# Altium PCB 1XGSH00.PcbDoc (continued)
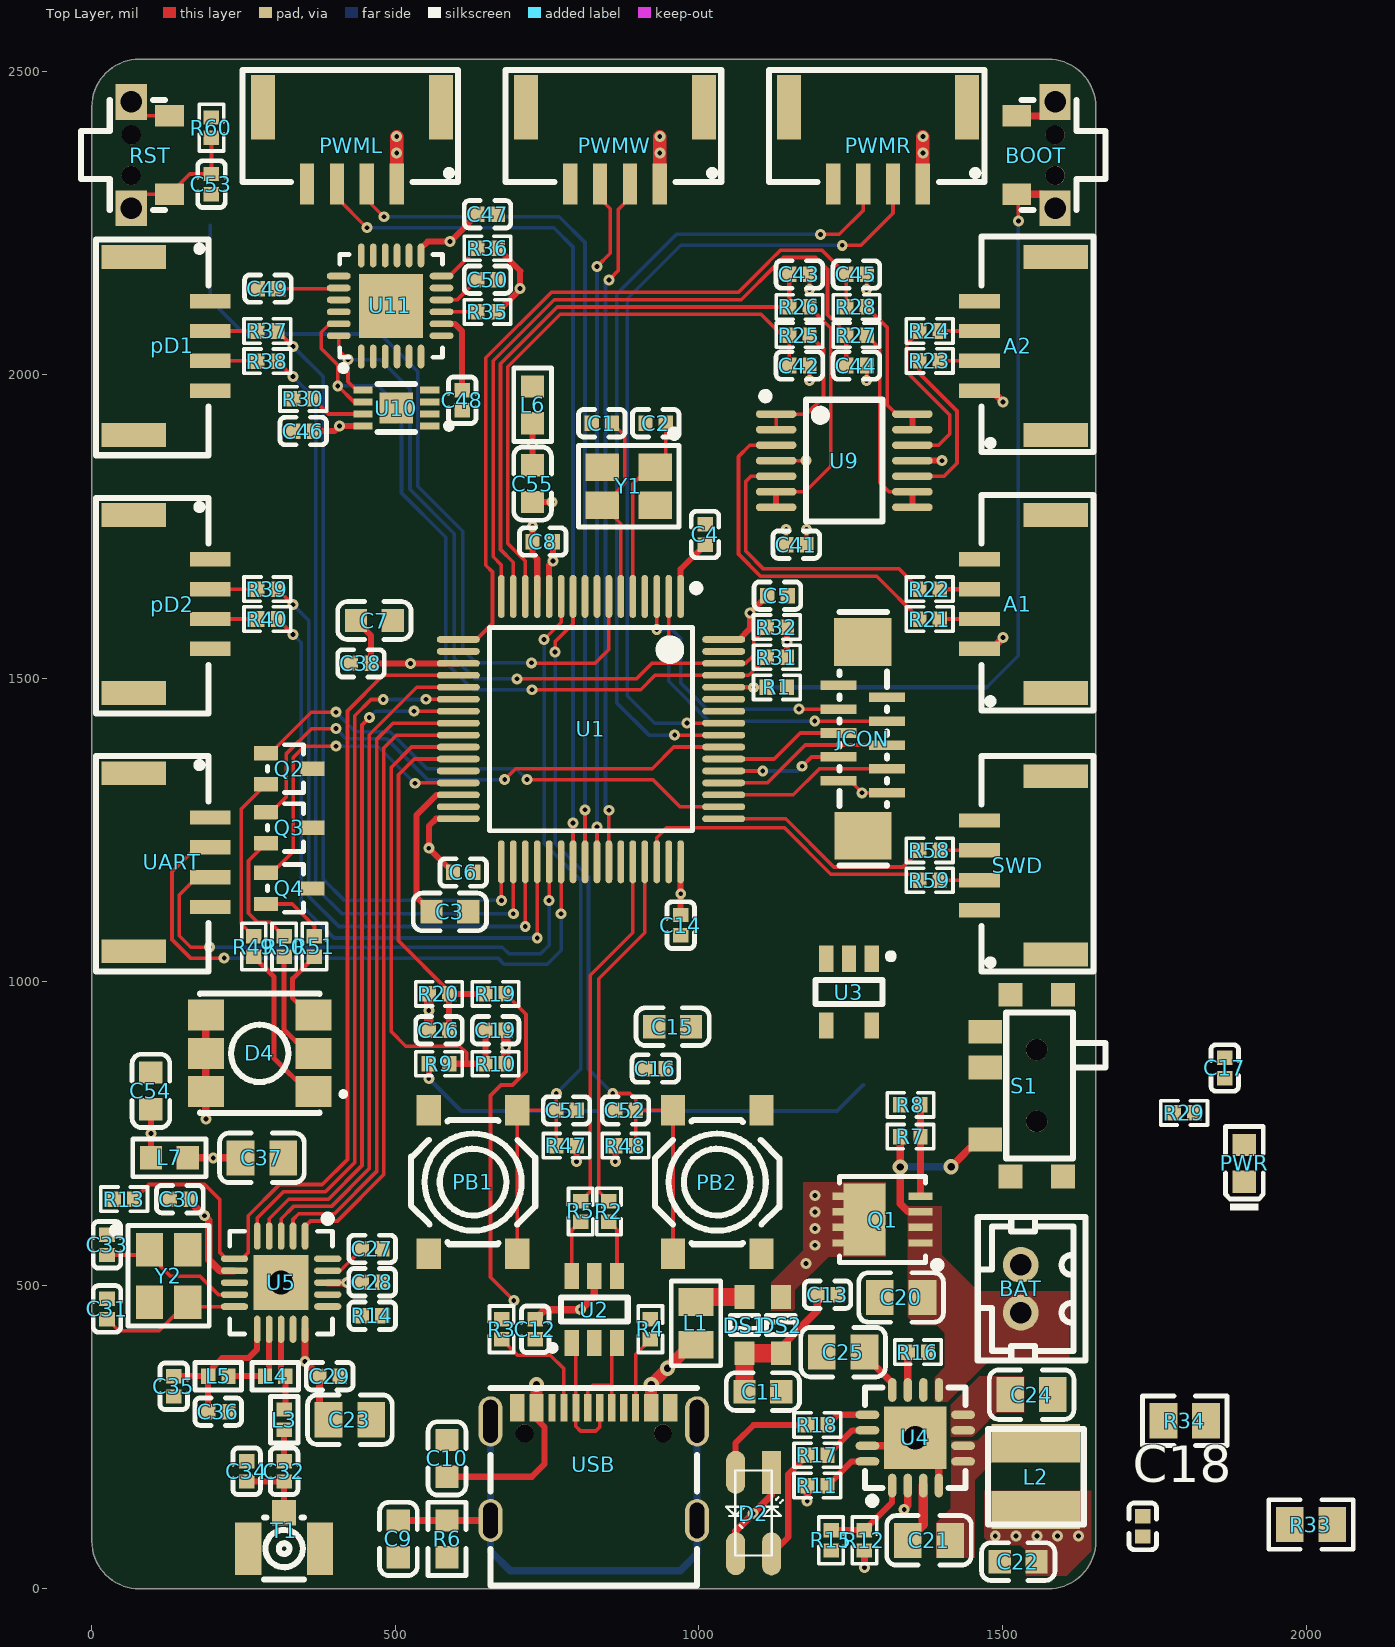
[diagram p0: Top Layer view]
## Footprints (in the part's own frame and the unit in brackets; to place one, negate y for a bottom-side part, rotate by r counter-clockwise, add the part's x,y. Pads: shape width x height; smd on the part's side, far side on the other; paste and mask are expansions set on the pad)
0402_C [mm]
  rect 0.6x0.65 smd mask+0.051: 1(-0.425,0) 2(0.425,0)
  silkscreen extent -0.97,-0.58 0.97,0.58, body extent -0.48,-0.3 0.52,0.3, height 0.2
0402_L [mm]
  rect 0.6x0.65 smd mask+0.051: 1(-0.425,0) 2(0.425,0)
  silkscreen extent -0.97,-0.58 0.97,0.58, body extent -0.51,-0.26 0.54,0.26, height 0.36
0402_R [mm]
  rect 0.6x0.65 smd mask+0.051: 1(-0.425,0) 2(0.425,0)
  silkscreen extent -0.97,-0.51 0.97,0.51, body extent -0.57,-0.27 0.58,0.28, height 0.41
0603_C [mm]
  rect 0.93x0.98 smd: 1(-0.77,0) 2(0.77,0)
  silkscreen extent -1.53,-0.79 1.54,0.79, body extent -0.8,-0.4 0.8,0.4, height 0.3
0603_L [mm]
  rect 0.93x0.98 smd: 1(-0.77,0) 2(0.77,0)
  silkscreen extent -1.54,-0.79 1.53,0.79, body extent -0.82,-0.41 0.83,0.41, height 0.46
0603_LED_S1 [mm]
  rect 0.93x0.98 smd: 1(0.77,0) 2(-0.77,0)
  silkscreen extent -1.97,-0.79 1.53,0.79, body extent -0.8,-0.4 0.8,0.4, height 0.6
0603_R [mm]
  rect 0.93x0.98 smd: 1(-0.77,0) 2(0.77,0)
  silkscreen extent -1.53,-0.79 1.54,0.79, body extent -0.85,-0.4 0.85,0.4, height 0.56
0805_C [mm]
  rect 1.16x1.47 smd: 1(-0.89,0) 2(0.89,0)
  silkscreen extent -1.77,-1.04 1.77,1.04, body extent -1,-0.62 1,0.63, height 0.77
0805_L [mm]
  rect 1.16x1.47 smd: 1(-0.89,0) 2(0.89,0)
  silkscreen extent -1.77,-1.03 1.77,1.04, body extent -1.02,-0.64 1.03,0.64, height 0.6
0805_R [mm]
  rect 1.16x1.47 smd: 1(-0.89,0) 2(0.89,0)
  silkscreen extent -1.77,-1.04 1.77,1.03, body extent -1,-0.62 1,0.63, height 0.49
3528_LED [mm]
  rect 1.8x0.8 smd mask+0.051: 1(-1.7,0.75)
  oval 1.8x0.8 smd mask+0.051: 2(1.71,0.75) 3(-1.7,-0.75) 4(1.7,-0.75)
  silkscreen extent -1.78,-1.14 1.78,1.22, body extent -1.78,-1.33 1.72,1.47, height 1.75
A2001WV-2P [mm]
  round 1.5 hole 0.9: 1(1,0) 2(-1,0)
  silkscreen extent -3,-1.8 3,2.7, body extent -2.95,-1.74 2.95,2.76, height 6
DFN3.3*3.3 [mm] "SON, 8-Leads, Body 3.25x3.25mm, Pitch 0.65mm, IPC Low Density"
  rect 0.3x1 smd: D(-0.975,1.59) D(-0.325,1.59) D(0.325,1.59) D(0.975,1.59) G(0.975,-1.59) S(-0.975,-1.59) S(-0.325,-1.59) S(0.325,-1.59)
  rect 3x1.75 smd: D(0,0.75)
  silkscreen extent -1.95,-2.34 1.8,1.8, body extent -1.65,-1.66 1.65,1.66, height 0.75
FPC-SMD_10P [mm]
  rect 2x2.4 smd: 0(-4.055,-0.004) 0(4.055,0.01)
  rect 0.4x1.5 smd: 1(-2.255,-1.014) 2(-1.755,1.014) 3(-1.255,-1.014) 4(-0.754,1.014) 5(-0.256,-1.014) 6(0.246,1.014) 7(0.744,-1.014) 8(1.247,1.014) 9(1.745,-1.014) 10(2.245,1.014)
  silkscreen extent -5.3,-1.01 5.3,0.99, body extent -4.75,-1.78 4.75,1.67, height 4.15
INDUCTOR_4*4 [mm]
  rect 1.6x3.7 smd: 1(-1.4,0) 2(1.4,0)
  silkscreen extent -2,-2 2,2, body extent -2.25,-2 2.25,2, height 3.18
IPEX1-K501-29 [mm]
  rect 1.1x2.2 smd: 1(-1.5,-0.75) 3(1.5,-0.75)
  rect 1x1.05 smd: 2(0,0.75)
  silkscreen extent -0.84,-2.05 0.84,0.55, body extent -1.5,-2.3 1.5,0.8, height 1.25
LED_5050 [mm]
  rect 1.5x1.3 smd: 1(-2.25,1.6) 2(-2.25,0) 3(-2.25,-1.6) 4(2.25,-1.6) 5(2.25,0) 6(2.25,1.6)
  silkscreen extent -3.57,-2.5 2.5,2.5, body extent -2.75,-2.5 2.75,2.5, height 1.6
LQFP-64_10x10x05P [mm]
  oval 0.28x1.8 smd mask+0.051: 1(-3.75,-5.55) 2(-3.25,-5.55) 3(-2.75,-5.55) 4(-2.25,-5.55) 5(-1.75,-5.55) 6(-1.25,-5.55) 7(-0.75,-5.55) 8(-0.25,-5.55) 9(0.25,-5.55) 10(0.75,-5.55) 11(1.25,-5.55) 12(1.75,-5.55) 13(2.25,-5.55) 14(2.75,-5.55) 15(3.25,-5.55) 16(3.75,-5.55) 33(3.75,5.55) 34(3.25,5.55) 35(2.75,5.55) 36(2.25,5.55) 37(1.75,5.55) 38(1.25,5.55) 39(0.75,5.55) 40(0.25,5.55) 41(-0.25,5.55) 42(-0.75,5.55) 43(-1.25,5.55) 44(-1.75,5.55) 45(-2.25,5.55) 46(-2.75,5.55) 47(-3.25,5.55) 48(-3.75,5.55)
  oval 1.8x0.28 smd mask+0.051: 17(5.55,-3.75) 18(5.55,-3.25) 19(5.55,-2.75) 20(5.55,-2.25) 21(5.55,-1.75) 22(5.55,-1.25) 23(5.55,-0.75) 24(5.55,-0.25) 25(5.55,0.25) 26(5.55,0.75) 27(5.55,1.25) 28(5.55,1.75) 29(5.55,2.25) 30(5.55,2.75) 31(5.55,3.25) 32(5.55,3.75) 49(-5.55,3.75) 50(-5.55,3.25) 51(-5.55,2.75) 52(-5.55,2.25) 53(-5.55,1.75) 54(-5.55,1.25) 55(-5.55,0.75) 56(-5.55,0.25) 57(-5.55,-0.25) 58(-5.55,-0.75) 59(-5.55,-1.25) 60(-5.55,-1.75) 61(-5.55,-2.25) 62(-5.55,-2.75) 63(-5.55,-3.25) 64(-5.55,-3.75)
  silkscreen extent -4.55,-6.05 4.25,4.25, body extent -6.01,-6.01 6.01,6.01, height 1.6
QFN-16_L4.0-W4.0-P0.65-LS4.2-BL-EP [mm]
  rect 2.6x2.6 smd: 0(0,0)
  oval 0.35x0.996 smd: 1(-0.965,-2) 2(-0.315,-2) 3(0.335,-2) 4(0.986,-2) 9(0.991,2) 10(0.34,2) 11(-0.31,2) 12(-0.96,2)
  oval 0.996x0.35 smd: 5(2,-0.991) 6(2,-0.34) 7(2,0.31) 8(2,0.96) 13(-2,0.96) 14(-2,0.31) 15(-2,-0.34) 16(-2,-0.991)
  silkscreen extent -2.1,-2.79 2.1,2.1, body extent -2,-2 2,2, height 0.92
QFN-20_4x4x05P [mm]
  rect 2.3x2.3 smd mask+0.051: 0(0,0)
  oval 0.28x1.143 smd mask+0.051: 1(-1,-1.95) 2(-0.5,-1.95) 3(0,-1.95) 4(0.5,-1.95) 5(1,-1.95) 11(1,1.95) 12(0.5,1.95) 13(0,1.95) 14(-0.5,1.95) 15(-1,1.95)
  oval 1.143x0.28 smd mask+0.051: 6(1.95,-1) 7(1.95,-0.5) 8(1.95,0) 9(1.95,0.5) 10(1.95,1) 16(-1.95,1) 17(-1.95,0.5) 18(-1.95,0) 19(-1.95,-0.5) 20(-1.95,-1)
  silkscreen extent -2.15,-2.82 2.15,2.15, body extent -2.01,-2.01 2.01,2.01, height 0.78
QFN-24_4x4x05P [mm]
  rect 2.68x2.68 smd mask+0.051: 0(0,0)
  oval 0.28x1 smd mask+0.051: 1(-1.25,-2.118) 2(-0.75,-2.118) 3(-0.25,-2.118) 4(0.25,-2.118) 5(0.75,-2.118) 6(1.25,-2.118) 13(1.25,2.112) 14(0.75,2.112) 15(0.25,2.112) 16(-0.25,2.112) 17(-0.75,2.112) 18(-1.25,2.112)
  oval 1x0.28 smd mask+0.051: 7(2.109,-1.25) 8(2.109,-0.75) 9(2.109,-0.25) 10(2.109,0.25) 11(2.109,0.75) 12(2.109,1.25) 19(-2.191,1.25) 20(-2.191,0.75) 21(-2.191,0.25) 22(-2.191,-0.25) 23(-2.191,-0.75) 24(-2.191,-1.25)
  silkscreen extent -2.15,-2.72 2.15,2.15, body extent -2.02,-2.03 2.02,2.01, height 0.88
SC-70(SC-70-3) [mm]
  rect 1x0.6 smd: 1(0.97,-0.65) 2(-0.97,0) 3(0.97,0.65)
  silkscreen extent -0.6,-1 0.9,1, body extent -1.12,-1.1 1.12,1.1, height 1.1
SMD-3225_4P [mm]
  rect 1.4x1.15 smd: 1(-1.1,-0.927) 2(1.1,-0.927) 3(1.1,0.673) 4(-1.1,0.673)
  silkscreen extent -2.1,-2.48 2.1,1.57, body extent -1.6,-1.38 1.6,1.12, height 0.61
SOD-323 [mm]
  rect 1x0.83 smd: 1(1.18,0) 2(-1.18,0)
  silkscreen extent -0.4,-0.6 0.4,0.6, body extent -1.35,-0.62 1.35,0.63, height 1.1
SOT-23-5 [mm]
  rect 1.1x0.6 smd: 1(-1.4,0.95) 2(-1.4,0) 3(-1.4,-0.95) 4(1.4,-0.95) 5(1.4,0.95)
  silkscreen extent -1.62,-1.4 0.5,1.88, body extent -1.25,-1.5 1.25,1.5, height 1.06
SOT-23-6 [mm]
  rect 1.1x0.6 smd: 1(-1.403,0.889) 2(-1.403,-0.061) 3(-1.403,-1.011) 4(1.397,-1.011) 5(1.397,-0.061) 6(1.397,0.889)
  silkscreen extent -1.73,-1.46 0.5,1.81, body extent -1.23,-1.46 1.19,1.33, height 1.09
SW-SMD_3P-SK-3296S-01-L1 [mm]
  rect 1x1 smd: 0(-3.8,-1.625) 0(-3.8,0.575) 0(3.8,-1.625) 0(3.8,0.575)
  rect 1x1.4 smd: 1(-2.25,1.625) 2(0.75,1.625) 3(2.25,1.625)
  round 0.9 hole 0.9 unplated: ""(-1.5,-0.525) ""(1.5,-0.525)
  silkscreen extent -3.05,-3.4 3.05,0.75, body extent -3.9,-3.4 3.9,1.85, height 1.35
SW-SMD_4P-L5.2-W5.2-P3.70-LS6.4 [mm]
  rect 1.27x1.016 smd: 1(-3,1.85) 2(3,1.85) 3(-3,-1.85) 4(3,-1.85)
  silkscreen extent -2.6,-2.6 2.6,2.6, body extent -3.2,-2.6 3.2,2.6, height 1.5
SW-SMD_TS-1010B-B-A [mm]
  rect 0.9x1.2 smd: 1(-1.64,-0.8) 2(1.64,-0.8)
  rect 1.5x1.3 hole 0.9: 3(-2.225,0.8) 4(2.225,0.8)
  round 0.8 hole 0.8 unplated: ""(-0.85,0.8) ""(0.85,0.8)
  silkscreen extent -2.3,-0.6 2.3,2.9, body extent -2.33,-0.76 2.33,2.9, height 2.65
TSSOP-14 [mm]
  oval 0.32x1.7 smd: 1(-1.95,-2.85) 2(-1.3,-2.85) 3(-0.65,-2.85) 4(0,-2.85) 5(0.65,-2.85) 6(1.3,-2.85) 7(1.95,-2.85) 8(1.95,2.85) 9(1.3,2.85) 10(0.65,2.85) 11(0,2.85) 12(-0.65,2.85) 13(-1.3,2.85) 14(-1.95,2.85)
  silkscreen extent -2.85,-3.45 2.55,1.6
UDFN-8L [mm]
  rect 1.3x1.4 smd: 0(0,0)
  rect 0.3x0.8 smd: 1(-0.75,-1.4) 2(-0.25,-1.4) 3(0.25,-1.4) 4(0.75,-1.4) 5(0.75,1.4) 6(0.25,1.4) 7(-0.25,1.4) 8(-0.75,1.4)
  silkscreen extent -1,-2.32 1,0.79, body extent -1,-1.5 1,1.5, height 0.53
"USB_TypeC_16Pin (2.0)" [mm]
  oval 1x1.799 hole 0.61 slot 1.5 at 90 deg: 0(-4.572,-1.458) 0(4.068,-1.458)
  oval 1x2.099 hole 0.61 slot 1.8 at 90 deg: 0(-4.572,2.692) 0(4.068,2.692)
  round 0.75 hole 0.756 unplated: 0(-3.142,2.192)
  round 0.75 hole 0.75: 0(2.638,2.192)
  rect 0.6x1.15 smd: A1B12(-3.452,3.267) A4B9(-2.652,3.267) B1A12(2.948,3.267) B4A9(2.148,3.267)
  rect 0.3x1.15 smd: A5(-1.502,3.267) A6(-0.502,3.267) A7(-0.002,3.267) A8(-2.002,3.267) B5(1.498,3.267) B6(0.498,3.267) B7(-1.002,3.267) B8(0.998,3.267)
  silkscreen extent -4.57,-4.18 4.07,4.08, body extent -4.72,-4.15 4.23,3.6, height 3.3
X1251WRS-04HF-LPSW [mm]
  rect 0.6x1.7 smd: 1(-1.875,1.6) 2(-0.625,1.6) 3(0.625,1.6) 4(1.875,1.6)
  rect 1x2.7 smd: 5(3.725,-1.6) 6(-3.725,-1.6)
  silkscreen extent -4.45,-3.18 4.57,1.52, body extent -4.12,-3.05 4.12,1.85, height 4.35

## Part data
BAT: library part XH2.5, "XH2.5 Connector"
BOOT PB1 PB2 RST: library part SW-PB-SPST
C1 C2 C3 C4 C5 C6 C7 C8 C9 C10 C11 C12 C13 C14 C15 C16 C17 C18 C19 C20 C21 C22 C23 C24 C25 C26 C27 C28 C29 C30 C31 C32 C33 C34 C35 C36 C37 C38 C41 C42 C43 C44 C45 C46 C47 C48 C49 C50 C51 C52 C53 C54 C55: library part Capacitor, "Capacitor"
D2: library part LED_Dual_2, "Dual LED Single Package"
D4: "5050 RGB LED"
DS1 DS2: library part "Diode Scotty", "Scotty Diode"
JCON: "FPC 0.5mm 14P"
L1 L2 L6 L7: library part Inductor, "Inductor", Code_IEC=1005, Code_JEITA=0402, LatestRevisionDate=29-May-2009, LatestRevisionNote="IPC-7351 Footprint Added.", PackageDescription="Chip Inductor", PackageReference=0402-A, Published=8-Jun-2000, Publisher="Altium Limited"
Q1: "P-Channel MOSFET"
Q2 Q3 Q4: library part MMBT3904, "NPN Bipolar Transistor", Code_JEDEC=TO-226-AA, LatestRevisionDate=17-Jul-2002, LatestRevisionNote="Re-released for DXP Platform.", PackageDescription="TO, Flat Index; 3 In-Line, Axial Leads; Body Dia. 4.8mm; Leads 0.55 x 0.51 mm (max)", PackageReference=TO-226-AA, Published=8-Jun-2000, Publisher="Altium Limited"
R1 R2 R3 R4 R5 R6 R7 R8 R9 R10 R11 R12 R15 R16 R17 R18 R19 R20 R21 R22 R23 R24 R25 R26 R27 R28 R29 R30 R31 R32 R33 R34 R35 R36 R37 R38 R39 R40 R47 R48 R49 R50 R51 R58 R59 R60: library part Resistor, "Resistor"
R13 R14: library part Resistor
S1: library part SW_SPDT, "SPDT Swtch Slide"
T1: library part ANT_IPEX1, "IPEX"
U1: "STM32 Series MCU"
U3: library part RT9193, "RT9193-LDO"
U4: "5V 输入两节锂电池升压充电IC"
U5: "超低功耗高性能 2.4GHz GFSK 无线收发芯片"
U9: "4 Channels OPAMP"
U10: "EEPROM"
U11: library part MPU6050, "GyroScope (IMU)"
USB: library part "USB TypeC 16Pin"
Y1 Y2: library part XTAL_SMD
L3 L4 L5: Code_IEC=1005, Code_JEITA=0402, LatestRevisionDate=29-May-2009, LatestRevisionNote="IPC-7351 Footprint Added.", PackageDescription="Chip Inductor", PackageReference=0402-A, Published=8-Jun-2000, Publisher="Altium Limited"

## Free pads (board coordinates)
  round 59.06 hole 39.37: 2(311.77,504.37) 3(1356.26,249)

## Via types
v1: diameter 18, hole 8, Top Layer to Bottom Layer, 107 vias
v2: diameter 25, hole 12, Top Layer to Bottom Layer, 5 vias

## Nets (pads, with @x,y where several pads share a name; then routed paths per layer and width w, separated by ;. In a path a pad name is that pad's centre, name@x,y a point inside that pad or via, vN(x,y) a via of type N, cw(c..) or ccw(c..) an arc to the next point about the centre after c; other vN are vias at no path point)
+3.3V: A1.4 A2.4 BOOT.1 BOOT.3 C4.2 C5.2 C6.2 C7.2 C14.2 C17.2 C38.2 C46.2 C47.2 C48.2 C54.2 D4.4 D4.5 D4.6 JCON.1 JCON.2 L6.1 L7.1 pD1.1 pD2.1 R13.1 R29.1 R31.1 R32.1 R35.1 R36.2 R47.1 R48.1 R60.1 SWD.4 U1.1 U1.19 U1.32 U1.48 U1.64 U3.5 U10.8 U11.8 U11.13 UART.1 | length 1705.1
  Top Layer w6: JCON.2 1249.1,1330.9 v1(1268.79,1311.21) JCON.1
  Top Layer w10: L7.1 v1(97.36,750) C54.2 ; C46.2 399.53,1907 v1(408,1915.47) U10.8 ; C7.2 460,1570 C38.2 v1(525,1524.37) U1.19 ; U11.13 542.16,2208.16 553,2219 v1(590,2219) C47.2 ; U11.8 597.89,2083.66 610,2071.55 C48.2 ; C6.2 v1(555,1220) 555,1256.54 566.93,1268.46 U1.32 ; R35.1 705,2139.88 v1(705,2142) 705,2169.65 706,2170.65 R36.2 ; v1(798.46,704) R47.1 ; v1(862.2,704) R48.1 ; C14.2 U1.48 ; U1.1@969.8,1605.2 U1.1 969.8,1679.8 C4.2 ; U1.64 1066.41,1563.74 1084,1581.33 v1(1084,1607.48) C5.2 ; R31.1 v1(1145.05,1559.25) R32.1
  Top Layer w12: v1(187.84,774) D4.6 D4.5 D4.4 ; BOOT.1 1563.58,2426.11 BOOT.3
  other v1: 970,1145
+3.3V-RF: C23.2 C28.2 C29.2 C30.2 C37.2 L7.2 U5.7 U5.15 U5.18 | length 472.6
  Top Layer w12: C30.2@157.99,642 v1(185.31,614.68) 192.63,607.36 192.63,542.37 210.94,524.06 U5.7 ; L7.2 v1(200,710) C37.2 ; U5.15 v1(351.14,374.31) C29.2 375,293.72 C23.2 ; U5.18 v1(420,504.37) 444.37,504.37 C28.2
+3.3VA: C8.2 C41.1 C55.2 L6.2 U1.13 U9.4 | length 1106.4
  Top Layer w6: U9.4 v1(1176.5,1858.23) ; C41.1 v1(1177.13,1745)
  Top Layer w10: v1(725.87,1750) C8.2 725.87,1704.13 733.58,1696.42 U1.13 ; C55.2 v1(725.87,1885.43) L6.2
  PWR w15: v1(725.87,1750) v1(725.87,1885.43) 725.87,1930.87 764,1969 1130.05,1969 1176.5,1922.55 v1(1176.5,1858.23) 1177.13,1857.6 v1(1177.13,1745)
+5.0V: C11.2 C13.2 DS1.2 DS2.1 | length 244.5
  Top Layer w12: DS2.1 1135,398.08 1195,458.08 C13.2
  Top Layer w30: C11.2 DS1.2 DS2.1
AGND: A1.1 A2.1 C8.1 C41.2 C42.1 C43.1 C44.1 C45.1 C55.1 R33.1 R34.1 U1.12 U9.11 | length 392
  Top Layer w6: C41.2 v1(1143.66,1745) ; v1(1182.13,1990) C42.1 ; v1(1182.13,2140) C43.1 ; v1(1276.06,1990) C44.1 ; v1(1276.06,2140) C45.1
  Top Layer w10: C55.1 v1(758.13,1790.24) ; U1.12 753.27,1686.68 v1(759.33,1692.74) C8.1 ; U9.11 v1(1400,1858.23)
  Top Layer w12: A1.1 1482.42,1548.23 v1(1501,1566.81) ; A2.1 1482.42,1973.42 v1(1501,1954.84)
ANALOG_IN0: A1.2 R21.1 | length 65.3
  Top Layer w7: R21.1 A1.2
ANALOG_IN1: A1.3 R22.1 | length 65.3
  Top Layer w7: R22.1 A1.3
ANALOG_IN2: A2.2 R23.1 | length 65.3
  Top Layer w6: R23.1 A2.2
ANALOG_IN3: A2.3 R24.1 | length 65.3
  Top Layer w6: R24.1 A2.3
BOOT0: BOOT.2 BOOT.4 R1.2 U1.60 | length 1361.9
  Top Layer w6: BOOT.2 1526,2294.6 v1(1526,2253)
  Top Layer w8: U1.60 v1(1090,1485) R1.2
  Top Layer w12: BOOT.2 1563.58,2296.97 BOOT.4
  Bottom Layer w6: 1474,1485 1526,1537 v1(1526,2253)
  Bottom Layer w8: v1(1090,1485) 1474,1485
DIGITAL_IO0: pD1.2 R37.1 | length 77.3
  Top Layer w6: pD1.2@195.08,2071.85 R37.1
DIGITAL_IO1: pD1.3 R38.1 | length 77.5
  Top Layer w6: pD1.3 272.01,2022.64 R38.1
DIGITAL_IO2: pD2.2 R39.1 | length 77.3
  Top Layer w6: pD2.2 R39.1
DIGITAL_IO3: pD2.3 R40.1 | length 77.3
  Top Layer w6: pD2.3 195.12,1597.48 R40.1
GND: BAT.2 C1.1 C2.1 C3.2 C4.1 C5.1 C6.1 C7.1 C9.1 C10.1 C11.1 C12.1 C13.1 C14.1 C15.1 C16.1 C17.1 C18.2 C19.1 C20.1 C22.1 C23.1 C24.1 C25.2 C26.1 C27.2 C28.1 C29.1 C30.1 C31.1 C33.2 C34.1 C35.1 C36.1 C37.1 C38.1 C46.1 C47.1 C48.1 C49.1 C50.2 C51.1 C52.1 C53.1 C54.1 JCON.9 JCON.10 pad.2 pad.3 PB1.1 PB1.2 PB2.1 PB2.2 pD1.4 pD2.4 PWML.4 PWMR.4 PWMW.4 PWR.2 Q2.2 Q3.2 Q4.2 R1.1 R3.1 R4.1 R6.2 R10.2 R14.2 R15.2 R16.2 R20.2 R30.2 R33.2 R34.2 RST.2 RST.4 S1.0 S1.3 SWD.1 T1.1 T1.3 U1.18 U1.31 U1.47 U1.63 U2.2 U3.2 U4.0 U4.4 U4.15 U5.0 U5.8 U5.14 U5.17 U5.20 U10.1 U10.2 U10.3 U10.4 U11.1 U11.11 U11.18 UART.4 USB.A1B12 USB.B1A12 Y1.2 Y1.4 Y2.2 Y2.4 | length 361.6
  Top Layer w6: RST.4 88.03,2426.1 RST.2
  Top Layer w12: U4.15 1342.86,235.6 U4.0 1395.06,210.2 U4.4
  Top Layer w15: C26.1@555,925 R20.2 ; R10.2 C19.1
  other v1: 681.73,892.5 555,952.5
I2C_SCL: R31.2 U1.61 U10.6 U11.23 | length 1324.1
  Top Layer w6: U11.23@391.53,2083.66 U11.23@391.68,2083.66 ; U11.23 U11.23@391.68,2083.66 ; U10.6 431.64,1954.84 v1(405,1981.49) 405,2016 378.01,2042.99 378.01,2069.99 U11.23@391.68,2083.66 ; v1(725,1481) 904,1481 927.68,1504.68 U1.61 1081.77,1504.68 R31.2
  Bottom Layer w6: v1(405,1981.49) 471.51,1981.49 510,1943 510,1805 583,1732 583,1526 628,1481 v1(725,1481)
I2C_SDA: R32.2 U1.62 U10.5 U11.24 | length 1285.8
  Top Layer w6: U11.24 406.69,2040.08 v1(422,2024.77) 422,1988.13 435.6,1974.53 U10.5 ; v1(700,1499) 897,1499 922.37,1524.37 U1.62 1076.37,1524.37 1090,1538 1090,1562.42 R32.2
  Bottom Layer w6: v1(422,2024.77) 475.23,2024.77 524,1976 524,1811 597,1738 597,1533 631,1499 v1(700,1499)
IMU_INT: R36.1 U11.12 | length 78
  Top Layer w6: U11.12 589.21,2162.4 R36.1
MABI: PWML.2 U1.40 | length 1434.6
  Top Layer w6: PWML.2 452.95,2288.05 v1(481,2260) ; U1.40 v1(812.32,1283.2)
  Bottom Layer w6: v1(481,2260) 770,2260 812.32,2217.68 v1(812.32,1283.2)
MAFI: PWML.3 U1.39 | length 1457.9
  Top Layer w6: PWML.3 403.74,2291.26 v1(453,2242) ; U1.39 v1(792.64,1261.2)
  Bottom Layer w6: v1(453,2242) 761,2242 792.64,2210.36 v1(792.64,1261.2)
MBBI: PWMR.2 U1.57 | length 1375.6
  Top Layer w6: v1(980,1425.94) U1.57 ; v1(1236,2213) 1267,2213 1319.61,2265.61 PWMR.2
  Bottom Layer w6: v1(980,1425.94) 927.06,1425.94 882,1471 882,2125 970,2213 v1(1236,2213)
MBFI: PWMR.3 U1.56 | length 1378
  Top Layer w6: v1(960,1406.26) U1.56 ; v1(1200,2231) 1231,2231 1270.39,2270.4 PWMR.3
  Bottom Layer w6: v1(960,1406.26) 917.74,1406.26 864.34,1459.66 864.34,2132.34 963,2231 v1(1200,2231)
MCU_ADC0: C42.2 R25.2 U1.14 | length 954
  Top Layer w6: U1.14 713.9,1693.1 685,1722 685,2012.92 771.5,2099.42 1102.2,2099.42 1136.62,2065 R25.2 C42.2
MCU_ADC1: C43.2 R26.2 U1.15 | length 960.1
  Top Layer w6: U1.15 694.21,1690.79 673,1712 673,2017.89 766.53,2111.42 R26.2
  Top Layer w7: R26.2 C43.2
MCU_ADC2: C44.2 R27.2 U1.16 | length 1194.3
  Top Layer w6: U1.16 674.53,1686.34 661,1699.87 661,2022.86 761.56,2123.42 1069.79,2123.42 1127.85,2181.48 1139.33,2193 1192,2193 1211.73,2173.27 1211.73,2098.79 1242.6,2067.92 R27.2
  Top Layer w7: C44.2 R27.2
MCU_ADC3: C45.2 R28.2 U1.17 | length 1246.8
  Top Layer w6: U1.17 633.74,1563.74 660,1590 660,1675 649,1686 649,2027.83 756.59,2135.42 1064.82,2135.42 1115.85,2186.45 ; 1115.85,2186.49 1134.36,2205 1202.6,2205 C45.2 R28.2
MWBI: PWMW.2 U1.42 | length 1135.5
  Top Layer w6: U1.42 v1(851.69,1282.5) ; v1(851.69,2156) 867,2171.31 867,2272 886.28,2291.28 PWMW.2
  Bottom Layer w6: v1(851.69,1282.5) 846,1288.2 846,2150.31 v1(851.69,2156)
MWFI: PWMW.3 U1.41 | length 1132.5
  Top Layer w6: U1.41 v1(832.01,1255.19) ; v1(832.01,2178.01) 854,2200 854,2273 837.07,2289.93 PWMW.3
  Bottom Layer w6: v1(832.01,1255.19) v1(832.01,2178.01)
NetC1_2: C1.2 U1.6 Y1.3 | length 321.7
  Top Layer w6: C1.2 877.61,1899.13 877.61,1821.17 Y1.3 871.38,1754.28 U1.6
NetC2_2: C2.2 U1.5 Y1.1 | length 313.4
  Top Layer w6: U1.5 891.06,1820.39 918.27,1847.6 Y1.1 945.44,1865.38 C2.2
NetC3_1: C3.1 U1.30 | length 252.4
  Top Layer w10: C3.1 535,1139.37 535,1275 567.83,1307.83 U1.30
NetC9_2: C9.2 R6.1 USB.0@656.69,112.61 USB.0@656.69,276 USB.0@996.85,112.61 USB.0@996.85,276 | length 948.6
  Top Layer w12: C9.2 R6.1 USB.0@656.69,112.61
  Bottom Layer w12: USB.0@656.69,276 656.69,112.61 656.69,62.31 689,30 969,30 996.85,57.85 996.85,112.61 USB.0@996.85,276
NetC18_1: C18.1 U3.4
NetC21_1: C21.1 L2.2 U4.5 U4.6
NetC21_2: C21.2 U4.3 | length 100.9
  Top Layer w15: C21.2 1369.46,105.6 U4.3
NetC24_2: C24.2 U4.7 U4.8
NetC25_1: C25.1 U4.12 | length 83.4
  Top Layer w12: C25.1@1267.44,390 1318.46,338.98 U4.12
NetC27_1: C27.1 U5.19 | length 71.3
  Top Layer w6: U5.19 409.06,524.06 C27.1
NetC31_2: C31.2 U5.10 Y2.3 | length 240.7
  Top Layer w6: C31.2 44.4,425 110.61,425 Y2.3 165.37,465 U5.10
NetC32_1: C32.1 L3.2 | length 51.5
  Top Layer w10: C32.1 L3.2
NetC32_2: C32.2 C34.2 T1.2 | length 113.3
  Top Layer w10: C34.2 C32.2 T1.2
NetC33_1: C33.1 U5.9 Y2.1 | length 237.1
  Top Layer w6: C33.1 94.53,550 129.53,515 178.29,515 208.61,484.68 U5.9
NetC35_2: C35.2 C36.2 L5.2 U5.11 | length 251
  Top Layer w10: C35.2 L5.2 ; C36.2 L5.2 ; U5.11 272.4,394.72 257.68,380 214.39,380 191.54,357.15 L5.2
NetC49_2: C49.2 U11.20 | length 100.3
  Top Layer w6: C49.2 405.63,2141.65 U11.20
NetC50_1: C50.1 U11.10 | length 72.9
  Top Layer w6: U11.10 601.57,2123.03 C50.1
NetC51_2: C51.2 PB1.3 PB1.4 R47.2 U1.11 | length 1258
  Top Layer w6: PB1.3 PB1.4 C51.2 ; v1(745,1564) 772.95,1591.95 U1.11 ; R47.2 C51.2 ; v1(765,816) C51.2
  Bottom Layer w6: v1(745,1564) 745,1227.64 805,1167.64 805,856 v1(765,816)
NetC52_2: C52.2 PB2.3 PB2.4 R48.2 U1.10 | length 1287
  Top Layer w6: v1@763,1542 v1(763,1543) 763,1560 792.64,1589.64 U1.10 ; v1(858,816) 886,816 895.67,806.33 C52.2 ; R48.2 C52.2 ; PB2.4 PB2.3 C52.2
  Bottom Layer w6: v1(763,1543) 763,1228 818,1173 818,856 v1(858,816)
NetD2_2: D2.2 R17.2 | length 186.8
  Top Layer w10: D2.2 1147,85.15 1147,188.86 R17.2
NetD2_3: D2.3 R18.2 | length 178.6
  Top Layer w10: D2.3 1060.47,240.47 1090,270 R18.2
NetD4_1: D4.1 R49.1 | length 268.6
  Top Layer w8: R49.1 300,1007.94 300,874.32 355.3,819.02 D4.1
NetD4_2: D4.2 R50.1 | length 188.9
  Top Layer w8: R50.1 316.69,920.71 352.69,884.7 D4.2@365,897.01
NetD4_3: D4.3 R51.1 | length 122.9
  Top Layer w8: D4.3@365,960 343.54,960 330.69,972.85 330.69,1005.25 R51.1
NetDS1_1: DS1.1 L1.2 | length 83.6
  Top Layer w30: L1.2 1003.62,481 DS1.1
NetJCON_3: JCON.3 U1.51 | length 287
  Top Layer w6: U1.51 1155.2,1307.83 1197.98,1350.61 JCON.3
NetJCON_4: JCON.4 U1.53 | length 199
  Top Layer w6: U1.53 v1(1105,1347.2) ; v1(1170,1355) 1185.3,1370.3 JCON.4
  Bottom Layer w6: v1(1105,1347.2) 1162.2,1347.2 v1(1170,1355)
NetJCON_5: JCON.5 U1.52 | length 295.1
  Top Layer w6: U1.52 1112.52,1327.52 1174.91,1389.91 JCON.5
NetJCON_6: JCON.6 U1.54 | length 207.2
  Top Layer w6: U1.54 1123.98,1366.89 1166.79,1409.7 JCON.6
NetJCON_7: JCON.7 U1.2 | length 526.7
  Top Layer w6: v1(950.12,1560) U1.2 ; v1(1190.69,1429.31) JCON.7
  Bottom Layer w6: v1(950.12,1560) 950.12,1494.88 1015.69,1429.31 v1(1190.69,1429.31)
NetJCON_8: JCON.8 U1.3 | length 456.5
  Top Layer w6: v1(930.43,1580.12) U1.3 ; v1(1165,1449.1) JCON.8
  Bottom Layer w6: v1(930.43,1580.12) 955.46,1580.12 970,1565.57 970,1491.97 1012.87,1449.1 v1(1165,1449.1) ; v1@1165,1450 v1@1170,1450
NetL3_1: L3.1 L4.2 U5.13 | length 135.9
  Top Layer w6: L4.2@311.77,357.41 L4.2 ; L3.1 L3.1@318.73,297.45
  Top Layer w10: L4.2@311.77,357.41 U5.13 ; L3.1@318.73,297.45 L4.2
NetL4_1: L4.1 L5.1 U5.12 | length 140.2
  Top Layer w6: L4.1 L4.1@292.09,357.27
  Top Layer w10: L5.1 L4.1 ; L4.1@292.09,357.27 U5.12
NetPWR_1: PWR.1 R29.2
NetQ2_1: Q2.1 U1.50 | length 836
  Top Layer w6: Q2.1@296.27,1378.7 361.57,1444 v1(402,1444) ; v1(717,1333) 924,1333 968.85,1288.15 U1.50
  Bottom Layer w6: v1(402,1444) 434,1412 490.97,1412 551.97,1351 699,1351 v1(717,1333)
NetQ2_3: Q2.3 R49.2 | length 276.2
  Top Layer w6: R49.2 246,1095.4 246,1284.6 Q2.3
NetQ3_1: Q3.1 U1.55 | length 906.5
  Top Layer w6: Q3.1 295.29,1279.29 320,1304 320,1374.97 362.03,1417 v1@399,1417 ; v1(680,1333) 698,1351 923.11,1351 958.68,1386.57 U1.55
  Bottom Layer w6: v1(402,1417) 419,1400 486,1400 553,1333 v1(680,1333)
NetQ3_3: Q3.3 R50.2 | length 201.8
  Top Layer w6: Q3.3 258,1199.3 258,1112.7 272.7,1098 293.4,1098 R50.2
NetQ4_1: Q4.1 U1.29 | length 510.1
  Top Layer w6: Q4.1@296.27,1179.29 332,1215.02 332,1370 350,1388 v1(402,1388) ; v1(532,1327) 532.52,1327.52 U1.29
  Bottom Layer w6: v1(402,1388) 471,1388 v1(532,1327)
NetQ4_3: Q4.3 R51.2 | length 111.7
  Top Layer w6: Q4.3 329.89,1128.11 366.69,1091.31 R51.2
NetR2_1: R2.1 U2.4 | length 95.3
  Top Layer w6: R2.1 865,591.69 U2.4
NetR3_2: R3.2 USB.A5 | length 186.4
  Top Layer w6: R3.2 700.94,385 755,385 777.56,362.44 USB.A5
NetR4_2: R4.2 USB.B5 | length 122.4
  Top Layer w6: USB.B5 895.67,386.61 R4.2
NetR5_1: R5.1 U2.6 | length 95.9
  Top Layer w6: U2.6 790.2,590.2 R5.1
NetR8_2: R8.2 S1.2
NetR11_1: R11.1 U4.16 | length 82.2
  Top Layer w10: R11.1 1251.47,210 U4.16
NetR12_2: R12.2 R15.1 U4.1 | length 147.5
  Top Layer w10: R15.1 R12.2 1318.26,142.47 U4.1
NetR14_1: R14.1 U5.16
NetR16_1: R16.1 U4.11 | length 62.3
  Top Layer w12: R16.1 1344.06,389.8 U4.11
NetR17_1: R17.1 U4.14 | length 82.8
  Top Layer w10: R17.1 1252.8,261.2 U4.14
NetR18_1: R18.1 U4.13 | length 72.7
  Top Layer w10: R18.1 1228.53,286.8 U4.13
NetR21_2: R21.2 U9.3 | length 573.1
  Top Layer w6: U9.3 1083.82,1883.82 1065,1865 1065,1704.37 1101.37,1668 1292.71,1668 R21.2
NetR22_2: R22.2 U9.5 | length 480.6
  Top Layer w6: U9.5 1085.67,1832.64 1077,1823.97 1077,1709.34 1106.34,1680 1329.92,1680 R22.2
NetR23_2: R23.2 U9.10 | length 276.5
  Top Layer w6: U9.10 1403.64,1832.64 1425,1854 1425,1940 1363.27,2001.73 R23.2
NetR24_2: R24.2 U9.12 | length 276.6
  Top Layer w6: U9.12 1394.68,1883.82 1413,1902.14 1413,1933.58 1342.46,2004.12 1342.46,2051.04 R24.2
NetR25_1: R25.1 U9.1 U9.2 | length 226.6
  Top Layer w6: U9.2 U9.1 1177.13,1935 1205,1962.87 1205,2042.13 R25.1
NetR26_1: R26.1 U9.6 U9.7 | length 409.7
  Top Layer w6: U9.6 1175,1807.05 1217,1849.05 1217,2076.55 R26.1
  Top Layer w10: U9.7 U9.6
NetR27_1: R27.1 U9.8 U9.9 | length 337.4
  Top Layer w6: R27.1 1297.95,2043.11 1297.95,1822.05 1312.95,1807.05 U9.9
  Top Layer w10: U9.8 U9.9
NetR28_1: R28.1 U9.13 U9.14 | length 248.8
  Top Layer w6: R28.1 1309.95,2077.54 1309.95,1950.05 1325,1935 U9.14
  Top Layer w10: U9.13 U9.14
NetR30_1: R30.1 U10.7 | length 91.6
  Top Layer w6: R30.1 389.84,1935.16 U10.7
NetR35_2: R35.2 U11.9 | length 59
  Top Layer w6: U11.9 R35.2
NetR37_2: R37.2 U1.33 | length 1305.6
  Top Layer w6: R37.2 v1(331.46,2046.26) ; v1(674.53,1134) U1.33
  Bottom Layer w6: v1(331.46,2046.26) 381,1996.72 381,1169 416,1134 v1(674.53,1134)
NetR38_2: R38.2 U1.34 | length 1322
  Top Layer w6: R38.2 v1(331.46,1996.65) ; v1(694.21,1112) U1.34
  Bottom Layer w6: v1(331.46,1996.65) 369,1959.11 369,1155 412,1112 v1(694.21,1112)
NetR39_2: R39.2 U1.35 | length 1011
  Top Layer w6: R39.2 v1(331.46,1621.06) ; v1(713.9,1091) U1.35
  Bottom Layer w6: v1(331.46,1621.06) 357,1595.52 357,1141 407,1091 v1(713.9,1091)
NetR40_2: R40.2 U1.36 | length 1024.2
  Top Layer w6: R40.2 v1(331.46,1571.89) ; v1(733.58,1072) U1.36
  Bottom Layer w6: v1(331.46,1571.89) 345,1558.35 345,1126 399,1072 v1(733.58,1072)
NetR58_1: R58.1 SWD.3 | length 65.3
  Top Layer w6: R58.1 SWD.3
NetR59_1: R59.1 SWD.2 | length 65.3
  Top Layer w6: R59.1 SWD.2
NetU1_37: U1.37 UART.3 | length 895.1
  Top Layer w6: v1(194,1057) 163,1057 144,1076 144,1143 173.25,1172.25 UART.3 ; v1(753.27,1134) U1.37
  Bottom Layer w6: v1(194,1057) 676,1057 687,1046 739,1046 753.27,1060.27 v1(753.27,1134)
NetU1_38: U1.38 UART.2 | length 1004.2
  Top Layer w6: UART.2 172.46,1221.46 132,1181 132,1069.54 162.54,1039 v1(218,1039) ; v1(772.95,1112) U1.38
  Bottom Layer w6: v1(218,1039) 669,1039 679,1029 750,1029 772.95,1051.95 v1(772.95,1112)
NetU1_58: U1.58
NetU1_59: U1.59
NetU2_1: U2.1 USB.A7 USB.B7 | length 217.5
  Top Layer w6: U2.1 797.24,397.95 USB.B7 797.24,267.76 805,260 830.02,260 836.61,266.59 USB.A7
NetU2_3: U2.3 USB.A6 USB.B6 | length 181
  Top Layer w6: USB.A6 816.93,326.91 825.02,335 856.3,335 ; USB.B6 856.3,335 ; U2.3 856.3,396.3 856.3,335
nRST: C53.2 R60.2 RST.1 RST.3 U1.7 | length 1563.7
  Top Layer w6: RST.3 88.03,2296.96 RST.1 161.49,2330.46 C53.2 R60.2 ; v1@724,1524.37 828.37,1524.37 851.69,1547.69 U1.7
  Bottom Layer w6: 195,2246 195,2123 251,2067 475,2067 537,2005 537,1816 611,1742 611,1547 632.63,1525.37 v1(724,1525.37)
P.MOS_G: Q1.G R7.2 R8.1 | length 150.6
  Top Layer w12: Q1.G R7.2 R8.1
RF_CE: U1.25 U5.1 | length 1015.2
  Top Layer w6: U5.1 351.14,597.14 360,606 404.59,606 481,682.41 481,1385 502.26,1406.26 U1.25
RF_IRQ: R13.2 U1.20 U5.6 | length 1511.3
  Top Layer w6: R13.2 94,666 185.77,666 210.94,640.83 210.94,554.06 221.26,543.74 U5.6 247.36,543.74 257.68,554.06 257.68,614.68 309,666 379.74,666 421,707.26 421,1445.92 479.76,1504.68 U1.20
SPI_CLK: U1.21 U5.3 | length 1101.7
  Top Layer w6: U5.3 311.77,609.77 332,630 394.65,630 457,692.35 457,1407 535,1485 U1.21
SPI_CS: U1.24 U5.2 | length 1055
  Top Layer w6: U5.2 331.46,608.54 340.91,618 399.62,618 469,687.38 469,1399 495.94,1425.94 U1.24
SPI_MISO: U1.22 U5.5 | length 1145.9
  Top Layer w6: U5.5 272.4,610.87 315.54,654 384.71,654 433,702.29 433,1438 460,1465 v1(480,1465) ; v1(550.32,1465.32) U1.22
  Bottom Layer w6: v1(480,1465) 550,1465 v1(550.32,1465.32)
SPI_MOSI: U1.23 U5.4 | length 1111.5
  Top Layer w6: U5.4 292.09,609.76 324.32,642 389.68,642 445,697.32 445,1423 v1(457,1435) ; v1(530.63,1445.63) U1.23
  Bottom Layer w6: v1(457,1435) 467.63,1445.63 v1(530.63,1445.63)
SW_CLK: R58.2 U1.49 | length 366.9
  Top Layer w6: U1.49 1142.71,1268.46 1222.18,1189 1335.81,1189 R58.2
SW_DIO: R59.2 U1.46 | length 515.2
  Top Layer w6: U1.46 930.43,1236.97 947.42,1253.95 1140.26,1253.95 1217.21,1177 1353.51,1177 R59.2
USB_SMP: C26.2 R19.2 R20.1 U1.27 | length 624.8
  Top Layer w6: R20.1 588.46,983.87 505,1067.33 505,1341 530.89,1366.89 U1.27
  Top Layer w10: C26.2 R20.1 R19.2
USBD_N: R5.2 U1.44 | length 594.8
  Top Layer w6: R5.2 821,654.46 821,1010.8 891.06,1080.86 U1.44
USBD_P: R2.2 U1.45 | length 597.4
  Top Layer w6: R2.2 835,655.16 835,1005 910.75,1080.75 U1.45
VBAT: BAT.1 C20.2 Q1.S R7.1 S1.1 U4.9 | length 286.9
  Top Layer w12: R7.1 v2(1331.54,695) 1331.54,634.32 1343.86,622 ; v2(1415.35,695.35) 1460.47,740.47 S1.1
  Bottom Layer w12: v2(1331.54,695) 1331.89,695.35 v2(1415.35,695.35)
VBAT_SMP: C19.2 R9.2 R10.1 U1.26 | length 830.9
  Top Layer w6: U1.26 526.57,1386.57 493,1353 493,918 517,894 606,894 617,883 617,865
  Top Layer w10: R9.2 617,865 R10.1 C19.2
VDC: C15.2 C16.2 DS2.2 PWML.1 PWMR.1 PWMW.1 Q1.D R9.1 U3.1 U3.3 | length 1013.8
  Top Layer w10: v1(555,840.58) R9.1
  Top Layer w22: PWML.1 v1(502.16,2365.27) v1(502.16,2392) ; PWMW.1 v1(935.49,2365.27) v1(935.49,2392) ; PWMR.1 v1(1368.82,2365.27) v1(1368.82,2392)
  Bottom Layer w7: v1(555,840.58) 608.58,787 1227.39,787 1270.39,830
  other v1: 1176,536 1191,566 1191,593.33 1191,620.67 1191,648
VUSB: C10.2 C12.2 C22.2 D2.1 D2.4 L1.1 L2.1 R11.2 R12.1 R19.1 U2.5 U4.2 USB.A4B9 USB.B4A9 | length 1417.5
  Top Layer w6: R19.1 715.02,946.71 715.02,852.02 693,830 674,830 656.69,812.69 656.69,513.31 v1(695,475)
  Top Layer w10: C10.2 724.68,184.68 745.8,205.8 745.8,266.62 732.28,280.13 USB.A4B9
  Top Layer w12: C12.2@730.2,447.8 C12.2 745.8,460 v1(805.2,460) 827.6,482.4 U2.5 ; D2.4 1060.47,95.47 v1(1089,124) 1119.53,154.53 D2.1 ; v1(1178.27,144.73) R11.2 ; v1(1272.52,35.48) R12.1 ; v1(1338,131) 1343.86,136.86 U4.2
  Top Layer w20: USB.A4B9 v2(732.28,336.61) ; USB.B4A9 v2(921.26,336.61) v2(948,363.35) 986.95,402.3 L1.1
  other v1: 1488,87 1522.25,87 1556.5,87 1590.75,87 1625,87
pads on no net: A1.5 A1.6 A2.5 A2.6 BOOT. JCON.0 pD1.5 pD1.6 pD2.5 pD2.6 PWML.5 PWML.6 PWMR.5 PWMR.6 PWMW.5 PWMW.6 RST. S1. SWD.5 SWD.6 U1.4 U1.8 U1.9 U1.28 U1.43 U4.10 U10.0 U11.0 U11.2 U11.3 U11.4 U11.5 U11.6 U11.7 U11.14 U11.15 U11.16 U11.17 U11.19 U11.21 U11.22 UART.5 UART.6 USB.0@712.99,256.32 USB.0@940.55,256.32 USB.A8 USB.B8

## Polygon pours and split planes (outlines as drawn)
VBAT on Top Layer "Top Layer-VBAT" (solid, pour order 0): 1357.26,434 1392,434 1405,421 1405,365.74 1388,348.74 1388,308 1410,308 1478,376 1610,376 1610,490 1460,490 1425.94,524.06 1400,550 1400,630 1343.86,630 1343.86,447.4
VDC on Top Layer "Top Layer-VDC" (solid, pour order 18): 1119,504.95 1119,458 1158,458 1158,492.3 1213.71,547 1308,547 1308,670 1172,670 1172,557.95
VUSB on Top Layer "Top Layer-VUSB" (solid, pour order 16): 1469.5,162 1469.5,84.5 1482,72 1529.27,72 1538,63.27 1538,22 1606,22 1646,62 1646,162
NetC24_2 on Top Layer "Top Layer-NetC24_2" (solid, pour order 4): 1415,303 1415,251 1451,251 1490,290 1536,290 1536,350 1472.26,350 1462,350
NetC21_1 on Top Layer "Top Layer-NetC21_1" (solid, pour order 2): 1415.35,199 1415,133 1391,109 1391,51 1454,51 1454,179 1485,210 1625,210 1625,270 1484,270 1458,244 1415.35,244
AGND on GND "AGND_L02_P008" (solid, pour order 8): 657,1590 759,1590 778,1609 778,1945 811,1978 1010,1978 1044,1944 1044,1782 1176,1650 1176,1589 1244,1521 1532,1521 1532,2129 1490,2171 1036,2171 999.5,2134.5 738.5,2134.5 641,2037 641,1606
VDC on PWR "VDC_L03_P020" (solid, pour order 20): 1458,865 1531,938 1531,2112 1300,2343 234,2343 234,2519 1574.8,2519 1574.8,2519.69 cw(c1574.8,2440.95) 1653.54,2440.94 1654,378 1153,378 1062,469 1062,726 1201,865
VUSB on PWR "VUSB_L03_P014" (solid, pour order 14): 623,0 623,435 682,494 1002,494 1130,366 1653.54,366 1653.54,78.74 cw(c1574.8,78.74) 1574.8,0
no net on PWR "PWR-No Net" (solid, pour order 10): 691,1912

## Silkscreen, mask and mechanical layers (free items; w line width, h text height)
Mechanical 1:
  the board outline again, w3.94